# Altium PCB drac_v3.PcbDoc (part 4 of 5)
Units mm, origin at the board's own origin, x right, y up, seen from the top; angles counter-clockwise.
Board outline 160 x 227.5 mm, 6 copper layers (Top Layer, Mid Layer 1_gnd, Mid Layer 2, Mid Layer 3, Mid Layer 4_gnd, Bottom Layer), stack 1.597 mm thick; 492 components, 264 nets, 1625 pads, 1112 vias.
Unrouted connection lines stored in the file: 68.
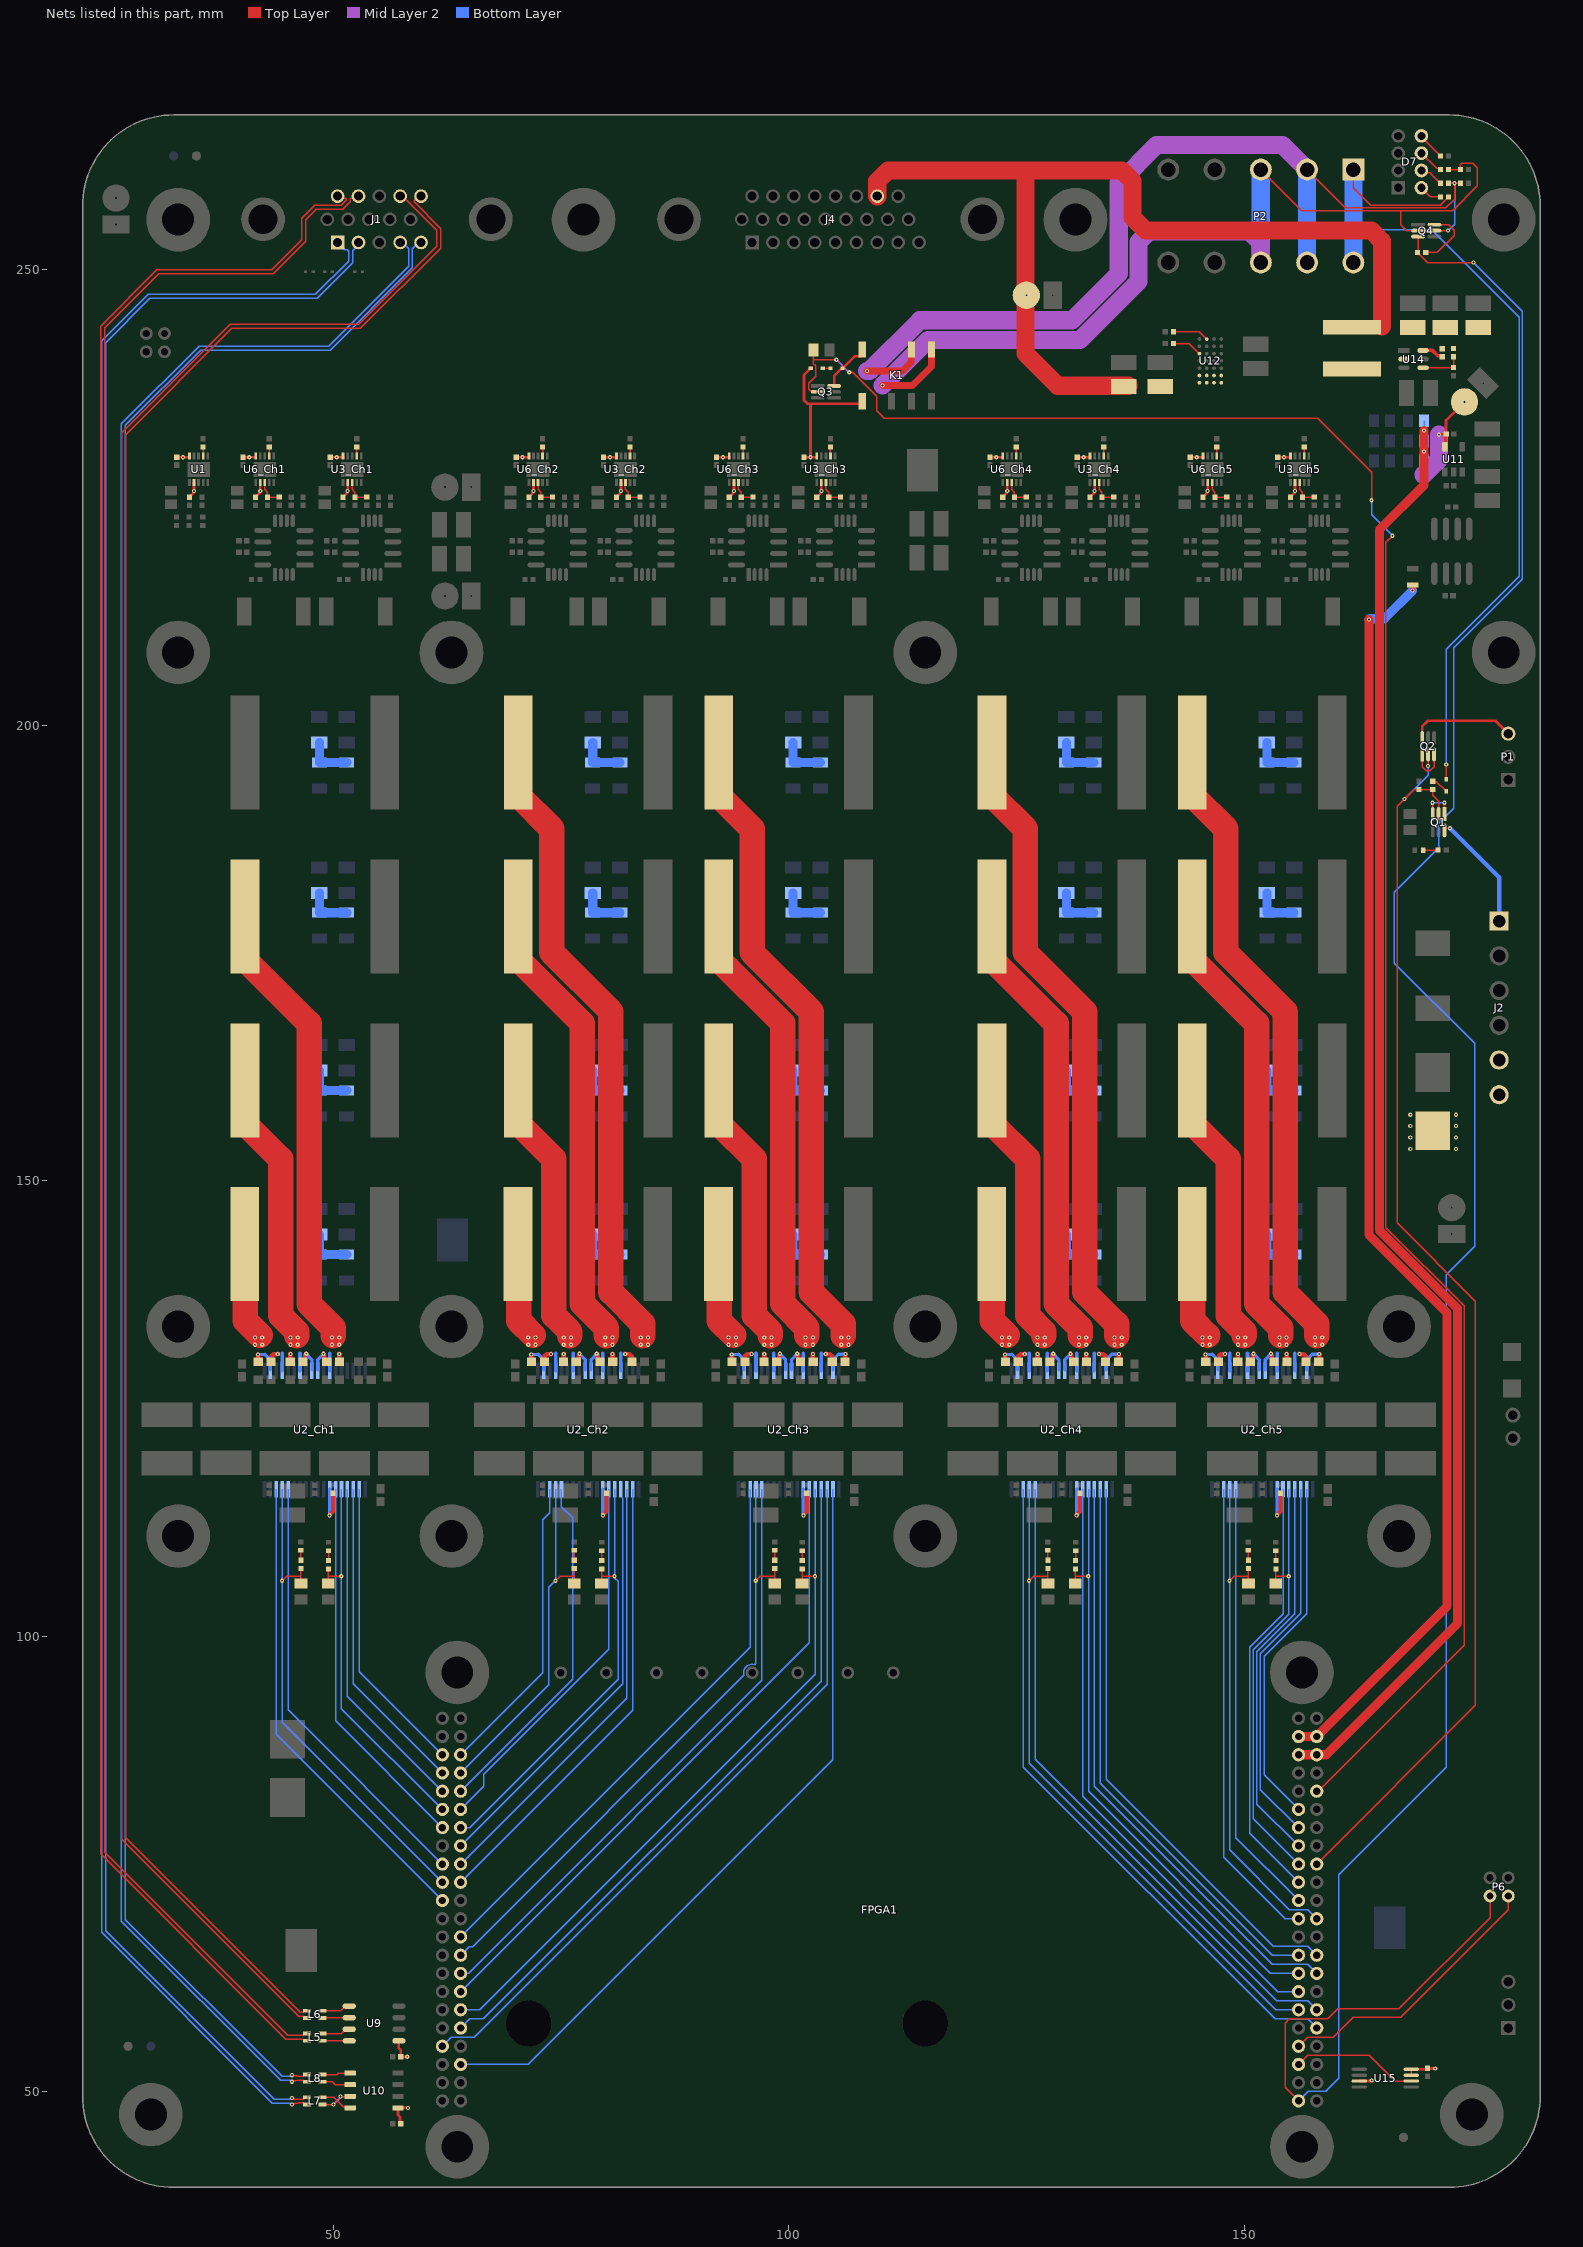
[diagram p8: the nets of this part, all layers, seen from the top]

## Via types
v1: diameter 0.457, hole 0.203, Top Layer to Bottom Layer, tented both sides, 1112 vias

## Nets (pads, with @x,y where several pads share a name; then routed paths per layer and width w, separated by ;. In a path a pad name is that pad's centre, name@x,y a point inside that pad or via, vN(x,y) a via of type N, cw(c..) or ccw(c..) an arc to the next point about the centre after c; other vN are vias at no path point) (continued)
NetC5_Ch2_2: C5_Ch2.2 L1_Ch2.1 U2_Ch2.33 | length 73
  Top Layer w0.5: v1(82.075,130.998) 82.094,130.979 82.54,130.979 82.798,130.721 C5_Ch2.2@82.798,130.148
  Top Layer w2.8: L1_Ch2.1@70.325,197 70.4,196.925 70.4,192.25 74,188.65 74,175.072 80.5,168.572 80.5,137.79 84,134.29 84,133
  Bottom Layer w0.394: U2_Ch2.33@81.575,129.148 81.575,131.075
  other v1: 83.775,131.998 84.575,131.998 83.775,132.798 84.575,132.798
NetC5_Ch3_1: C5_Ch3.1 U2_Ch3.35 | length 3.6
  Top Layer w0.5: C5_Ch3.1@106.202,130.148 106.237,130.183 106.237,130.96 v1(106.256,130.979)
  Bottom Layer w0.35: U2_Ch3.35@104.875,129.223 104.875,130.352 105.483,130.96 106.237,130.96 v1(106.256,130.979)
NetC5_Ch3_2: C5_Ch3.2 L1_Ch3.1 U2_Ch3.33 | length 73
  Top Layer w0.5: v1(104.075,130.998) 104.094,130.979 104.54,130.979 104.798,130.721 C5_Ch3.2@104.798,130.148
  Top Layer w2.8: L1_Ch3.1@92.325,197 92.4,196.925 92.4,192.25 96,188.65 96,175.072 102.5,168.572 102.5,137.79 106,134.29 106,133
  Bottom Layer w0.394: U2_Ch3.33@103.575,129.148 103.575,131.075
  other v1: 105.775,131.998 106.575,131.998 105.775,132.798 106.575,132.798
NetC5_Ch4_1: C5_Ch4.1 U2_Ch4.35 | length 3.6
  Top Layer w0.5: C5_Ch4.1@136.202,130.148 136.237,130.183 136.237,130.96 v1(136.256,130.979)
  Bottom Layer w0.35: U2_Ch4.35@134.875,129.223 134.875,130.352 135.483,130.96 136.237,130.96 v1(136.256,130.979)
NetC5_Ch4_2: C5_Ch4.2 L1_Ch4.1 U2_Ch4.33 | length 73
  Top Layer w0.5: v1(134.075,130.998) 134.094,130.979 134.54,130.979 134.798,130.721 C5_Ch4.2@134.798,130.148
  Top Layer w2.8: L1_Ch4.1@122.325,197 122.4,196.925 122.4,192.25 126,188.65 126,175.072 132.5,168.572 132.5,137.79 136,134.29 136,133
  Bottom Layer w0.394: U2_Ch4.33@133.575,129.148 133.575,131.075
  other v1: 135.775,131.998 136.575,131.998 135.775,132.798 136.575,132.798
NetC5_Ch5_1: C5_Ch5.1 U2_Ch5.35 | length 3.6
  Top Layer w0.5: C5_Ch5.1@158.202,130.148 158.237,130.183 158.237,130.96 v1(158.256,130.979)
  Bottom Layer w0.35: U2_Ch5.35@156.875,129.223 156.875,130.352 157.483,130.96 158.237,130.96 v1(158.256,130.979)
NetC5_Ch5_2: C5_Ch5.2 L1_Ch5.1 U2_Ch5.33 | length 73
  Top Layer w0.5: v1(156.075,130.998) 156.094,130.979 156.54,130.979 156.798,130.721 C5_Ch5.2@156.798,130.148
  Top Layer w2.8: L1_Ch5.1@144.325,197 144.4,196.925 144.4,192.25 148,188.65 148,175.072 154.5,168.572 154.5,137.79 158,134.29 158,133
  Bottom Layer w0.394: U2_Ch5.33@155.575,129.148 155.575,131.075
  other v1: 157.775,131.998 158.575,131.998 157.775,132.798 158.575,132.798
NetC6_Ch1_1: C6_Ch1.1 U2_Ch1.28 | length 3.1
  Top Layer w0.5: v1(48.948,131.023) 48.948,130.996 49.044,130.9 49.044,130.354 49.066,130.354 49.272,130.148 C6_Ch1.1@49.298,130.148
  Bottom Layer w0.35: U2_Ch1.28@48.325,129.223 48.325,130.373 48.948,130.996 v1(48.948,131.023)
NetC6_Ch1_2: C6_Ch1.2 L2_Ch1.1 U2_Ch1.30 | length 52.8
  Top Layer w0.5: v1(50.675,130.998) 50.675,130.175 C6_Ch1.2@50.702,130.148
  Top Layer w2.8: L2_Ch1.1@40.325,179 40.4,178.925 40.4,174.25 47.373,167.277 47.373,136.495 50,133.868 50,133
  Bottom Layer w0.394: U2_Ch1.30@49.625,129.148 49.625,131.075
  other v1: 49.875,131.998 50.675,131.998 49.875,132.798 50.675,132.798
NetC6_Ch2_1: C6_Ch2.1 U2_Ch2.28 | length 3.1
  Top Layer w0.5: v1(78.948,131.023) 78.948,130.996 79.044,130.9 79.044,130.354 79.066,130.354 79.272,130.148 C6_Ch2.1@79.298,130.148
  Bottom Layer w0.35: U2_Ch2.28@78.325,129.223 78.325,130.373 78.948,130.996 v1(78.948,131.023)
NetC6_Ch2_2: C6_Ch2.2 L2_Ch2.1 U2_Ch2.30 | length 52.8
  Top Layer w0.5: v1(80.675,130.998) 80.675,130.175 C6_Ch2.2@80.702,130.148
  Top Layer w2.8: L2_Ch2.1@70.325,179 70.4,178.925 70.4,174.25 77.373,167.277 77.373,136.495 80,133.868 80,133
  Bottom Layer w0.394: U2_Ch2.30@79.625,129.148 79.625,131.075
  other v1: 79.875,131.998 80.675,131.998 79.875,132.798 80.675,132.798
NetC6_Ch3_1: C6_Ch3.1 U2_Ch3.28 | length 3.1
  Top Layer w0.5: v1(100.948,131.023) 100.948,130.996 101.044,130.9 101.044,130.354 101.066,130.354 101.272,130.148 C6_Ch3.1@101.298,130.148
  Bottom Layer w0.35: U2_Ch3.28@100.325,129.223 100.325,130.373 100.948,130.996 v1(100.948,131.023)
NetC6_Ch3_2: C6_Ch3.2 L2_Ch3.1 U2_Ch3.30 | length 52.8
  Top Layer w0.5: v1(102.675,130.998) 102.675,130.175 C6_Ch3.2@102.702,130.148
  Top Layer w2.8: L2_Ch3.1@92.325,179 92.4,178.925 92.4,174.25 99.373,167.277 99.373,136.495 102,133.868 102,133
  Bottom Layer w0.394: U2_Ch3.30@101.625,129.148 101.625,131.075
  other v1: 101.875,131.998 102.675,131.998 101.875,132.798 102.675,132.798
NetC6_Ch4_1: C6_Ch4.1 U2_Ch4.28 | length 3.1
  Top Layer w0.5: v1(130.948,131.023) 130.948,130.996 131.044,130.9 131.044,130.354 131.066,130.354 131.272,130.148 C6_Ch4.1@131.298,130.148
  Bottom Layer w0.35: U2_Ch4.28@130.325,129.223 130.325,130.373 130.948,130.996 v1(130.948,131.023)
NetC6_Ch4_2: C6_Ch4.2 L2_Ch4.1 U2_Ch4.30 | length 52.8
  Top Layer w0.5: v1(132.675,130.998) 132.675,130.175 C6_Ch4.2@132.702,130.148
  Top Layer w2.8: L2_Ch4.1@122.325,179 122.4,178.925 122.4,174.25 129.373,167.277 129.373,136.495 132,133.868 132,133
  Bottom Layer w0.394: U2_Ch4.30@131.625,129.148 131.625,131.075
  other v1: 131.875,131.998 132.675,131.998 131.875,132.798 132.675,132.798
NetC6_Ch5_1: C6_Ch5.1 U2_Ch5.28 | length 3.1
  Top Layer w0.5: v1(152.948,131.023) 152.948,130.996 153.044,130.9 153.044,130.354 153.066,130.354 153.272,130.148 C6_Ch5.1@153.298,130.148
  Bottom Layer w0.35: U2_Ch5.28@152.325,129.223 152.325,130.373 152.948,130.996 v1(152.948,131.023)
NetC6_Ch5_2: C6_Ch5.2 L2_Ch5.1 U2_Ch5.30 | length 52.8
  Top Layer w0.5: v1(154.675,130.998) 154.675,130.175 C6_Ch5.2@154.702,130.148
  Top Layer w2.8: L2_Ch5.1@144.325,179 144.4,178.925 144.4,174.25 151.373,167.277 151.373,136.495 154,133.868 154,133
  Bottom Layer w0.394: U2_Ch5.30@153.625,129.148 153.625,131.075
  other v1: 153.875,131.998 154.675,131.998 153.875,132.798 154.675,132.798
NetC7_Ch1_1: C7_Ch1.1 U2_Ch1.27 | length 3.1
  Top Layer w0.5: C7_Ch1.1@46.702,130.148 46.728,130.148 46.934,130.354 46.956,130.354 46.956,130.9 47.052,130.996 v1(47.052,131.023)
  Bottom Layer w0.35: v1(47.052,131.023) 47.052,130.996 47.675,130.373 U2_Ch1.27@47.675,129.223
NetC7_Ch1_2: C7_Ch1.2 L3_Ch1.1 U2_Ch1.25 | length 33.1
  Top Layer w0.5: C7_Ch1.2@45.298,130.148 45.325,130.175 v1(45.325,130.998)
  Top Layer w2.8: L3_Ch1.1@40.325,161 40.4,160.925 40.4,156.25 44.246,152.404 44.246,135.199 46,133.445 46,133
  Bottom Layer w0.394: U2_Ch1.25@46.375,129.148 46.375,131.075
  other v1: 45.325,131.998 46.125,131.998 45.325,132.798 46.125,132.798
NetC7_Ch2_1: C7_Ch2.1 U2_Ch2.27 | length 3.1
  Top Layer w0.5: C7_Ch2.1@76.702,130.148 76.728,130.148 76.934,130.354 76.956,130.354 76.956,130.9 77.052,130.996 v1(77.052,131.023)
  Bottom Layer w0.35: v1(77.052,131.023) 77.052,130.996 77.675,130.373 U2_Ch2.27@77.675,129.223
NetC7_Ch2_2: C7_Ch2.2 L3_Ch2.1 U2_Ch2.25 | length 33.1
  Top Layer w0.5: C7_Ch2.2@75.298,130.148 75.325,130.175 v1(75.325,130.998)
  Top Layer w2.8: L3_Ch2.1@70.325,161 70.4,160.925 70.4,156.25 74.246,152.404 74.246,135.199 76,133.445 76,133
  Bottom Layer w0.394: U2_Ch2.25@76.375,129.148 76.375,131.075
  other v1: 75.325,131.998 76.125,131.998 75.325,132.798 76.125,132.798
NetC7_Ch3_1: C7_Ch3.1 U2_Ch3.27 | length 3.1
  Top Layer w0.5: C7_Ch3.1@98.702,130.148 98.728,130.148 98.934,130.354 98.956,130.354 98.956,130.9 99.052,130.996 v1(99.052,131.023)
  Bottom Layer w0.35: v1(99.052,131.023) 99.052,130.996 99.675,130.373 U2_Ch3.27@99.675,129.223
NetC7_Ch3_2: C7_Ch3.2 L3_Ch3.1 U2_Ch3.25 | length 33.1
  Top Layer w0.5: C7_Ch3.2@97.298,130.148 97.325,130.175 v1(97.325,130.998)
  Top Layer w2.8: L3_Ch3.1@92.325,161 92.4,160.925 92.4,156.25 96.246,152.404 96.246,135.199 98,133.445 98,133
  Bottom Layer w0.394: U2_Ch3.25@98.375,129.148 98.375,131.075
  other v1: 97.325,131.998 98.125,131.998 97.325,132.798 98.125,132.798
NetC7_Ch4_1: C7_Ch4.1 U2_Ch4.27 | length 3.1
  Top Layer w0.5: C7_Ch4.1@128.702,130.148 128.728,130.148 128.934,130.354 128.956,130.354 128.956,130.9 129.052,130.996 v1(129.052,131.023)
  Bottom Layer w0.35: v1(129.052,131.023) 129.052,130.996 129.675,130.373 U2_Ch4.27@129.675,129.223
NetC7_Ch4_2: C7_Ch4.2 L3_Ch4.1 U2_Ch4.25 | length 33.1
  Top Layer w0.5: C7_Ch4.2@127.298,130.148 127.325,130.175 v1(127.325,130.998)
  Top Layer w2.8: L3_Ch4.1@122.325,161 122.4,160.925 122.4,156.25 126.246,152.404 126.246,135.199 128,133.445 128,133
  Bottom Layer w0.394: U2_Ch4.25@128.375,129.148 128.375,131.075
  other v1: 127.325,131.998 128.125,131.998 127.325,132.798 128.125,132.798
NetC7_Ch5_1: C7_Ch5.1 U2_Ch5.27 | length 3.1
  Top Layer w0.5: C7_Ch5.1@150.702,130.148 150.728,130.148 150.934,130.354 150.956,130.354 150.956,130.9 151.052,130.996 v1(151.052,131.023)
  Bottom Layer w0.35: v1(151.052,131.023) 151.052,130.996 151.675,130.373 U2_Ch5.27@151.675,129.223
NetC7_Ch5_2: C7_Ch5.2 L3_Ch5.1 U2_Ch5.25 | length 33.1
  Top Layer w0.5: C7_Ch5.2@149.298,130.148 149.325,130.175 v1(149.325,130.998)
  Top Layer w2.8: L3_Ch5.1@144.325,161 144.4,160.925 144.4,156.25 148.246,152.404 148.246,135.199 150,133.445 150,133
  Bottom Layer w0.394: U2_Ch5.25@150.375,129.148 150.375,131.075
  other v1: 149.325,131.998 150.125,131.998 149.325,132.798 150.125,132.798
NetC8_Ch1_1: C8_Ch1.1 U2_Ch1.20 | length 3.5
  Top Layer w0.5: v1(41.763,130.927) 41.781,130.91 41.781,130.166 C8_Ch1.1@41.798,130.148
  Bottom Layer w0.35: v1(41.763,130.927) 41.782,130.946 42.504,130.946 42.517,130.96 43.125,130.352 U2_Ch1.20@43.125,129.223
NetC8_Ch1_2: C8_Ch1.2 L4_Ch1.1 U2_Ch1.22 | length 14.1
  Top Layer w0.5: C8_Ch1.2@43.202,130.148 43.202,130.721 43.46,130.979 43.906,130.979 v1(43.925,130.998)
  Top Layer w2.8: L4_Ch1.1@40.3,143.05 40.375,142.975 40.375,134.648 42,133.023
  Bottom Layer w0.394: U2_Ch1.22@44.425,129.148 44.425,131.075
  other v1: 41.425,131.998 42.225,131.998 41.425,132.798 42.225,132.798
NetC8_Ch2_1: C8_Ch2.1 U2_Ch2.20 | length 3.5
  Top Layer w0.5: v1(71.763,130.927) 71.781,130.91 71.781,130.166 C8_Ch2.1@71.798,130.148
  Bottom Layer w0.35: v1(71.763,130.927) 71.782,130.946 72.504,130.946 72.517,130.96 73.125,130.352 U2_Ch2.20@73.125,129.223
NetC8_Ch2_2: C8_Ch2.2 L4_Ch2.1 U2_Ch2.22 | length 14.1
  Top Layer w0.5: C8_Ch2.2@73.202,130.148 73.202,130.721 73.46,130.979 73.906,130.979 v1(73.925,130.998)
  Top Layer w2.8: L4_Ch2.1@70.3,143.05 70.375,142.975 70.375,134.648 72,133.023
  Bottom Layer w0.394: U2_Ch2.22@74.425,129.148 74.425,131.075
  other v1: 71.425,131.998 72.225,131.998 71.425,132.798 72.225,132.798
NetC8_Ch3_1: C8_Ch3.1 U2_Ch3.20 | length 3.5
  Top Layer w0.5: v1(93.763,130.927) 93.781,130.91 93.781,130.166 C8_Ch3.1@93.798,130.148
  Bottom Layer w0.35: v1(93.763,130.927) 93.782,130.946 94.504,130.946 94.517,130.96 95.125,130.352 U2_Ch3.20@95.125,129.223
NetC8_Ch3_2: C8_Ch3.2 L4_Ch3.1 U2_Ch3.22 | length 14.1
  Top Layer w0.5: C8_Ch3.2@95.202,130.148 95.202,130.721 95.46,130.979 95.906,130.979 v1(95.925,130.998)
  Top Layer w2.8: L4_Ch3.1@92.3,143.05 92.375,142.975 92.375,134.648 94,133.023
  Bottom Layer w0.394: U2_Ch3.22@96.425,129.148 96.425,131.075
  other v1: 93.425,131.998 94.225,131.998 93.425,132.798 94.225,132.798
NetC8_Ch4_1: C8_Ch4.1 U2_Ch4.20 | length 3.5
  Top Layer w0.5: v1(123.763,130.927) 123.781,130.91 123.781,130.166 C8_Ch4.1@123.798,130.148
  Bottom Layer w0.35: v1(123.763,130.927) 123.782,130.946 124.504,130.946 124.517,130.96 125.125,130.352 U2_Ch4.20@125.125,129.223
NetC8_Ch4_2: C8_Ch4.2 L4_Ch4.1 U2_Ch4.22 | length 14.1
  Top Layer w0.5: C8_Ch4.2@125.202,130.148 125.202,130.721 125.46,130.979 125.906,130.979 v1(125.925,130.998)
  Top Layer w2.8: L4_Ch4.1@122.3,143.05 122.375,142.975 122.375,134.648 124,133.023
  Bottom Layer w0.394: U2_Ch4.22@126.425,129.148 126.425,131.075
  other v1: 123.425,131.998 124.225,131.998 123.425,132.798 124.225,132.798
NetC8_Ch5_1: C8_Ch5.1 U2_Ch5.20 | length 3.5
  Top Layer w0.5: v1(145.763,130.927) 145.781,130.91 145.781,130.166 C8_Ch5.1@145.798,130.148
  Bottom Layer w0.35: v1(145.763,130.927) 145.782,130.946 146.504,130.946 146.517,130.96 147.125,130.352 U2_Ch5.20@147.125,129.223
NetC8_Ch5_2: C8_Ch5.2 L4_Ch5.1 U2_Ch5.22 | length 14.1
  Top Layer w0.5: C8_Ch5.2@147.202,130.148 147.202,130.721 147.46,130.979 147.906,130.979 v1(147.925,130.998)
  Top Layer w2.8: L4_Ch5.1@144.3,143.05 144.375,142.975 144.375,134.648 146,133.023
  Bottom Layer w0.394: U2_Ch5.22@148.425,129.148 148.425,131.075
  other v1: 145.425,131.998 146.225,131.998 145.425,132.798 146.225,132.798
NetC13_Ch1_2: C13_Ch1.2 R10_Ch1.2 R11_Ch1.2 | length 5.2
  Bottom Layer w1: C13_Ch1.2@48.5,198.1 R11_Ch1.2@48.5,195.925 R10_Ch1.2@51.5,195.925
NetC13_Ch2_2: C13_Ch2.2 R10_Ch2.2 R11_Ch2.2 | length 5.2
  Bottom Layer w1: C13_Ch2.2@78.5,198.1 R11_Ch2.2@78.5,195.925 R10_Ch2.2@81.5,195.925
NetC13_Ch3_2: C13_Ch3.2 R10_Ch3.2 R11_Ch3.2 | length 5.2
  Bottom Layer w1: C13_Ch3.2@100.5,198.1 R11_Ch3.2@100.5,195.925 R10_Ch3.2@103.5,195.925
NetC13_Ch4_2: C13_Ch4.2 R10_Ch4.2 R11_Ch4.2 | length 5.2
  Bottom Layer w1: C13_Ch4.2@130.5,198.1 R11_Ch4.2@130.5,195.925 R10_Ch4.2@133.5,195.925
NetC13_Ch5_2: C13_Ch5.2 R10_Ch5.2 R11_Ch5.2 | length 5.2
  Bottom Layer w1: C13_Ch5.2@152.5,198.1 R11_Ch5.2@152.5,195.925 R10_Ch5.2@155.5,195.925
NetC14_Ch1_2: C14_Ch1.2 R12_Ch1.2 R13_Ch1.2 | length 5.2
  Bottom Layer w1: C14_Ch1.2@48.5,181.6 R13_Ch1.2@48.5,179.425 R12_Ch1.2@51.5,179.425
NetC14_Ch2_2: C14_Ch2.2 R12_Ch2.2 R13_Ch2.2 | length 5.2
  Bottom Layer w1: C14_Ch2.2@78.5,181.6 R13_Ch2.2@78.5,179.425 R12_Ch2.2@81.5,179.425
NetC14_Ch3_2: C14_Ch3.2 R12_Ch3.2 R13_Ch3.2 | length 5.2
  Bottom Layer w1: C14_Ch3.2@100.5,181.6 R13_Ch3.2@100.5,179.425 R12_Ch3.2@103.5,179.425
NetC14_Ch4_2: C14_Ch4.2 R12_Ch4.2 R13_Ch4.2 | length 5.2
  Bottom Layer w1: C14_Ch4.2@130.5,181.6 R13_Ch4.2@130.5,179.425 R12_Ch4.2@133.5,179.425
NetC14_Ch5_2: C14_Ch5.2 R12_Ch5.2 R13_Ch5.2 | length 5.2
  Bottom Layer w1: C14_Ch5.2@152.5,181.6 R13_Ch5.2@152.5,179.425 R12_Ch5.2@155.5,179.425
NetC15_Ch1_2: C15_Ch1.2 R14_Ch1.2 R15_Ch1.2 | length 5.2
  Bottom Layer w1: C15_Ch1.2@48.5,162.1 R15_Ch1.2@48.5,159.925 R14_Ch1.2@51.5,159.925
NetC15_Ch2_2: C15_Ch2.2 R14_Ch2.2 R15_Ch2.2 | length 5.2
  Bottom Layer w1: C15_Ch2.2@78.5,162.1 R15_Ch2.2@78.5,159.925 R14_Ch2.2@81.5,159.925
NetC15_Ch3_2: C15_Ch3.2 R14_Ch3.2 R15_Ch3.2 | length 5.2
  Bottom Layer w1: C15_Ch3.2@100.5,162.1 R15_Ch3.2@100.5,159.925 R14_Ch3.2@103.5,159.925
NetC15_Ch4_2: C15_Ch4.2 R14_Ch4.2 R15_Ch4.2 | length 5.2
  Bottom Layer w1: C15_Ch4.2@130.5,162.1 R15_Ch4.2@130.5,159.925 R14_Ch4.2@133.5,159.925
NetC15_Ch5_2: C15_Ch5.2 R14_Ch5.2 R15_Ch5.2 | length 5.2
  Bottom Layer w1: C15_Ch5.2@152.5,162.1 R15_Ch5.2@152.5,159.925 R14_Ch5.2@155.5,159.925
NetC16_Ch1_2: C16_Ch1.2 R16_Ch1.2 R17_Ch1.2 | length 5.2
  Bottom Layer w1: C16_Ch1.2@48.5,144.1 R17_Ch1.2@48.5,141.925 R16_Ch1.2@51.5,141.925
NetC16_Ch2_2: C16_Ch2.2 R16_Ch2.2 R17_Ch2.2 | length 5.2
  Bottom Layer w1: C16_Ch2.2@78.5,144.1 R17_Ch2.2@78.5,141.925 R16_Ch2.2@81.5,141.925
NetC16_Ch3_2: C16_Ch3.2 R16_Ch3.2 R17_Ch3.2 | length 5.2
  Bottom Layer w1: C16_Ch3.2@100.5,144.1 R17_Ch3.2@100.5,141.925 R16_Ch3.2@103.5,141.925
NetC16_Ch4_2: C16_Ch4.2 R16_Ch4.2 R17_Ch4.2 | length 5.2
  Bottom Layer w1: C16_Ch4.2@130.5,144.1 R17_Ch4.2@130.5,141.925 R16_Ch4.2@133.5,141.925
NetC16_Ch5_2: C16_Ch5.2 R16_Ch5.2 R17_Ch5.2 | length 5.2
  Bottom Layer w1: C16_Ch5.2@152.5,144.1 R17_Ch5.2@152.5,141.925 R16_Ch5.2@155.5,141.925
NetC26_Ch1_1: C26_Ch1.1 R20_Ch1.2 U3_Ch1.3 | length 3.1
  Top Layer w0.152: U3_Ch1.3@52.1,226.698 52.1,225.9 52.4,225.6 C26_Ch1.1@52.4,225.029 52.424,225.052 R20_Ch1.2@53.7,225.052
NetC26_Ch2_1: C26_Ch2.1 R20_Ch2.2 U3_Ch2.3 | length 3.1
  Top Layer w0.152: U3_Ch2.3@82.1,226.698 82.1,225.9 82.4,225.6 C26_Ch2.1@82.4,225.029 82.424,225.052 R20_Ch2.2@83.7,225.052
NetC26_Ch3_1: C26_Ch3.1 R20_Ch3.2 U3_Ch3.3 | length 3.1
  Top Layer w0.152: U3_Ch3.3@104.1,226.698 104.1,225.9 104.4,225.6 C26_Ch3.1@104.4,225.029 104.424,225.052 R20_Ch3.2@105.7,225.052
NetC26_Ch4_1: C26_Ch4.1 R20_Ch4.2 U3_Ch4.3 | length 3.1
  Top Layer w0.152: U3_Ch4.3@134.1,226.698 134.1,225.9 134.4,225.6 C26_Ch4.1@134.4,225.029 134.424,225.052 R20_Ch4.2@135.7,225.052
NetC26_Ch5_1: C26_Ch5.1 R20_Ch5.2 U3_Ch5.3 | length 3.1
  Top Layer w0.152: U3_Ch5.3@156.1,226.698 156.1,225.9 156.4,225.6 C26_Ch5.1@156.4,225.029 156.424,225.052 R20_Ch5.2@157.7,225.052
NetC40_Ch1_1: C40_Ch1.1 R22_Ch1.2 U6_Ch1.3 | length 3.1
  Top Layer w0.152: U6_Ch1.3@42.5,226.698 42.5,225.9 42.8,225.6 C40_Ch1.1@42.8,225.029 42.824,225.052 R22_Ch1.2@44.1,225.052
NetC40_Ch2_1: C40_Ch2.1 R22_Ch2.2 U6_Ch2.3 | length 3.1
  Top Layer w0.152: U6_Ch2.3@72.5,226.698 72.5,225.9 72.8,225.6 C40_Ch2.1@72.8,225.029 72.824,225.052 R22_Ch2.2@74.1,225.052
NetC40_Ch3_1: C40_Ch3.1 R22_Ch3.2 U6_Ch3.3 | length 3.1
  Top Layer w0.152: U6_Ch3.3@94.5,226.698 94.5,225.9 94.8,225.6 C40_Ch3.1@94.8,225.029 94.824,225.052 R22_Ch3.2@96.1,225.052
NetC40_Ch4_1: C40_Ch4.1 R22_Ch4.2 U6_Ch4.3 | length 3.1
  Top Layer w0.152: U6_Ch4.3@124.5,226.698 124.5,225.9 124.8,225.6 C40_Ch4.1@124.8,225.029 124.824,225.052 R22_Ch4.2@126.1,225.052
NetC40_Ch5_1: C40_Ch5.1 R22_Ch5.2 U6_Ch5.3 | length 3.1
  Top Layer w0.152: U6_Ch5.3@146.5,226.698 146.5,225.9 146.8,225.6 C40_Ch5.1@146.8,225.029 146.824,225.052 R22_Ch5.2@148.1,225.052
NetC60_1: C60.1 U14.6 | length 2.4
  Top Layer w0.4: U14.6@169.65,241.15 170.686,241.15 171.256,240.579 171.664,240.579 171.75,240.493 C60.1@171.75,240.471